# Altium PCB Load_HRD.PcbDoc (continued)
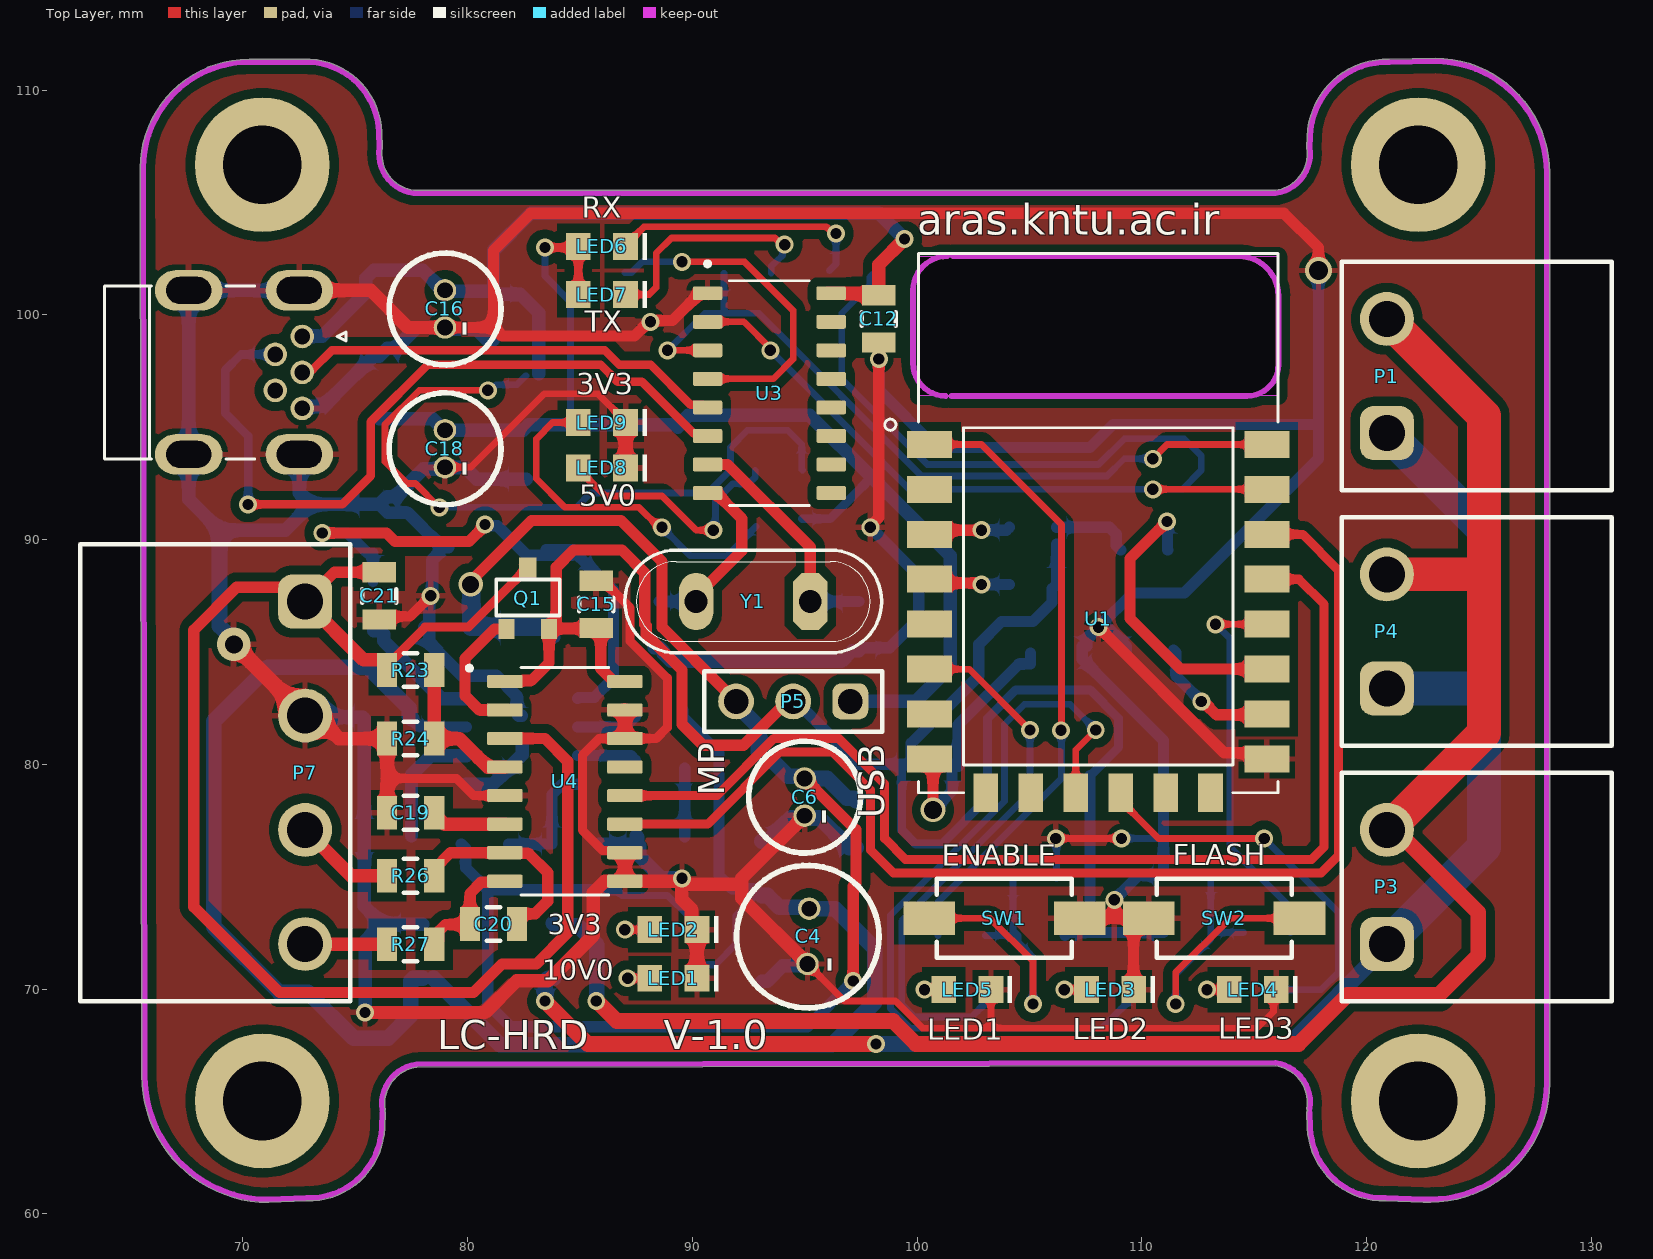
[diagram p0: Top Layer view]
## Footprints (in the part's own frame and the unit in brackets; to place one, negate y for a bottom-side part, rotate by r counter-clockwise, add the part's x,y. Pads: shape width x height; smd on the part's side, far side on the other; paste and mask are expansions set on the pad) (continued)
MY_SMD_TRANSISTOR [mm]
  rect 0.9x0.7 smd: B(1.35,-0.95) E(1.35,0.95)
  rect 0.9x0.8 smd: C(-1.37,0)
  silkscreen extent -0.85,-1.4 0.75,1.42, body extent -1.37,-1.5 1.27,1.5, height 1.08
"SMD 805" [mm]
  rect 0.9x1.5 smd: 1(1.05,0) 2(-1.05,0)
  silkscreen extent -0.3,-0.75 0.3,0.75, body extent -1,-0.62 1,0.63, height 0.78
"SMD 805 CAP" [mm]
  rect 0.9x1.5 smd: 1(1.05,0) 2(-1.05,0)
  silkscreen extent -0.3,-0.75 0.3,0.75, body extent -1,-0.62 1,0.63, height 0.78
USB_MINI_Right [mm]
  oval 1.1x1.65 smd far side paste-2 mask+0: 1(-1.6,2.663) 2(-0.8,0.913) 3(0,2.663) 4(0.8,0.913) 5(1.6,2.663)
  round 1.05 hole 0.7: 6(-1.6,2.388) 7(-0.8,1.188) 8(0,2.388) 9(0.8,1.188) 10(1.6,2.388)
  oval 1.8x3 hole 1.2 slot 2 at 90 deg mask+0: 11(-3.65,-2.662) 12(-3.65,2.261) 12(3.65,2.261) 12(3.65,-2.662)
  oval 1.7x2.7 smd far side paste-2 mask+0: S1(-3.65,-2.662) S2(3.65,-2.662)
  silkscreen extent -3.85,-6.41 3.85,4.34, body extent -3.95,-6.43 3.95,2.97, height 3.9
WS-TASV_L6W3.5H4.3_4341x10438x6 [mm] "SMD Tact Switch, body 6x3.5mm"
  rect 2.3x1.5 smd: 1(-3.35,0) 2(3.35,0)
  silkscreen extent -3,-1.75 3,1.75, body extent -4,-1.75 4,1.75, height 4.3

## Part data
C1 C2 C5 C9 C17: library part "CAP B"
C3 C7 C8 C10 C11 C12 C13 C14 C15 C19 C20 C21: library part "CAP B", "1uf"
C4: library part "Cap Pol_6mm", "CAP-3300Uf"
C6 C16 C18: library part "Cap Pol_5mm", "CAP-3300Uf"
D1 D3 D4 D5: library part MiniMelf_500mW, "MiniMelf_500mW", Package=None, Availability=Unavailable, MP=ZM4736A_L0, Price=None
L1: library part Inductor4*4*3
P1 P3 P4: "WR-TBL Series 312 Open Horizontal PCB Header, THT, pitch 5.08mm, 2p", Manufacturer="Wurth Elektronik", Operating Temperature Max=105°C, Operating Temperature Min=-40°C, Rated Current=20A, Working Voltage=300V, Application=Pluggable, Category="Terminal Blocks", ComponentLink1Description="Website Link", ComponentLink1URL=https://www.we-online.com/redexpert/article/691312510002?ad, ComponentLink2Description="Datasheet Link", ComponentLink2URL=https://www.we-online.com/redexpert/spec/691312510002?ad, Manufacturer Part Number=691312510002, Match Code=WR-TBL, Modularity=No, Mount="Through Hole", Number of Pins=2, Number of Rows=1, Orientation=Horizontal, Packaging=Box, Pitch=5.08mm
P5: "WR-PHD Pin Header, THT, Vertical, pitch 2.54mm, 1 Row, 3P", Contact Resistance=20mΩ, Manufacturer="Wurth Elektronik", Operating Temperature Max=105°C, Operating Temperature Min=-40°C, Rated Current=3A, Withstanding Voltage=500V, Working Voltage=250V, Category="Board-to-Board Connectors", ComponentLink1Description="Website Link", ComponentLink1URL=https://www.we-online.com/redexpert/article/61300311121?ad, ComponentLink2Description="Datasheet Link", ComponentLink2URL=https://www.we-online.com/redexpert/spec/61300311121?ad, Gender="Pin Header", Manufacturer Part Number=61300311121, Match Code=WR-PHD, Mount="Through Hole", Number of Pins=3, Number of Rows=1, Orientation=Vertical, Packaging=Bag, Pitch=2.54mm
P7: "WR-TBL Series 312 Open Horizontal PCB Header, THT, pitch 5.08mm, 4p", Manufacturer="Wurth Elektronik", Operating Temperature Max=105°C, Operating Temperature Min=-40°C, Rated Current=20A, Working Voltage=300V, Application=Pluggable, Category="Terminal Blocks", ComponentLink1Description="Website Link", ComponentLink1URL=https://www.we-online.com/redexpert/article/691312510004?ad, ComponentLink2Description="Datasheet Link", ComponentLink2URL=https://www.we-online.com/redexpert/spec/691312510004?ad, Manufacturer Part Number=691312510004, Match Code=WR-TBL, Modularity=No, Mount="Through Hole", Number of Pins=4, Number of Rows=1, Orientation=Horizontal, Packaging=Box, Pitch=5.08mm
Q1: library part "3906 SMD TRANSISTOR", "PNP 60V 625mW IC=200mA"
R1 R2 R3 R4 R5 R6 R7 R8 R9 R10 R11 R12 R13 R14 R15 R16 R17 R18 R19 R20 R21 R22 R23 R24 R25 R26 R27: library part Resistor
SW1 SW2: "WS-TASV SMT Tact Switch, L6 x W3.5 x H4.3mm, 260g, SPST-NO, 12V, 50mA", Manufacturer="Wurth Elektronik", Operating Temperature Max=85°C, Operating Temperature Min=-40°C, Rated Current=50mA, Rated Voltage (DC)=12V, Category="Tact Switches", Circuit=SPST-NO, ComponentLink1Description="Website Link", ComponentLink1URL=https://www.we-online.com/redexpert/article/434111043826?ad, ComponentLink2Description="Datasheet Link", ComponentLink2URL=https://www.we-online.com/redexpert/spec/434111043826?ad, Contact Material="Stainless Steel", Contact Plating=Silver, Height=4.3mm, Length=6mm, Manufacturer Part Number=434111043826, Match Code=WS-TASV, Mount="Surface Mount", Operation Force=260g, Packaging="Tape and Reel", Terminal Material="Copper Alloy", Terminal Plating=Silver, Washable=No, Width=3.5mm
Y1: "Crystal"

## Free pads (board coordinates)
  round 6 hole 3.5: ""(70.866,65.024) ""(70.866,106.68) ""(122.301,65.024) ""(122.301,106.68)

## Via types
v1: diameter 0.8, hole 0.5, Top Layer to Bottom Layer, 46 vias
v2: diameter 1.1, hole 0.8, Top Layer to Bottom Layer, 1 vias
v3: diameter 1.2, hole 0.85, Top Layer to Bottom Layer, 1 vias
v4: diameter 1.5, hole 0.8, Top Layer to Bottom Layer, 1 vias
v5: diameter 1.1, hole 0.75, Top Layer to Bottom Layer, 1 vias

## Nets (pads, with @x,y where several pads share a name; then routed paths per layer and width w, separated by ;. In a path a pad name is that pad's centre, name@x,y a point inside that pad or via, vN(x,y) a via of type N, cw(c..) or ccw(c..) an arc to the next point about the centre after c; other vN are vias at no path point)
+3V3: C15.2 P5.2 Q1.E R1.1 R2.1 R4.2 R5.1 R8.2 R10.2 U4.1 U4.16 | length 86.6
  Top Layer w0.5: U4.1 81.703,83.738 82.849,83.738 83.627,84.516 Q1.E ; Q1.E@83.65,86.049 Q1.E@83.947,86.049 ; U4.16 86.953,83.738 86.458,83.738 85.925,84.271 85.925,85.872 C15.2 85.598,86.072 85.575,86.049 Q1.E@83.947,86.049 ; P5.2@94.659,82.594 94.024,82.594 92.282,80.852 90.471,80.852 89.535,81.788 89.535,84.201 87.946,85.79 87.946,86.171 87.884,86.233 87.884,88.519 86.868,89.535 84.709,89.535 83.947,88.773 Q1.E@83.947,86.049
  Bottom Layer w0.4: R1.1 99.314,79.79 99.314,77.089 99.949,76.454 101.092,76.454 103.124,78.486 103.124,82.042 104.394,83.312 107.696,83.312 108.966,82.042 108.966,80.772 107.696,79.502
  Bottom Layer w0.5: P5.2@94.869,82.804 94.869,82.55 97.409,80.01 R1.1 99.734,80.21 99.734,80.938 102.743,83.947 102.743,85.344 103.759,86.36 105.156,86.36 106.006,87.21 106.006,87.811 R8.2 106.206,89.801 ; R4.2 108.566,90.551 108.859,90.258 108.859,89.735 R10.2 ; R2.1@106.787,72.89 106.587,72.69 R2.1 106.714,72.517 107.569,72.517 ; 107.696,79.502 107.696,72.644 107.569,72.517 ; R5.1 107.569,72.517
+3V3_MP: C3.2 C6.+ C7.2 D3.2 L1.2 P5.3 R11.2 R13.2 | length 77.5
  Top Layer w0.5: v5(80.137,88.011) 80.137,88.138 82.847,90.848 86.825,90.848 88.646,89.027 88.646,86.106 91.542,83.21 91.626,83.21 92.031,82.804 P5.3@92.329,82.804 ; C6.+ 97.282,77.089 97.282,74.717 97.155,74.59 v1(97.155,70.358)
  Bottom Layer w0.3: 86.614,74.422 86.868,74.168 88.9,74.168 89.824,73.244 89.904,73.244 90.204,72.944 R11.2
  Bottom Layer w0.5: R13.2 79.922,76.254 79.922,75.399 80.899,74.422 ; C3.2@80.154,86.123 C3.2 ; L1.2@83.438,86.106 L1.2@83.886,85.658 ; 86.614,74.422 80.899,74.422 ; v1(97.155,70.358) 95.123,68.326 81.915,68.326 80.899,69.342 80.899,74.422
  Bottom Layer w0.7: P5.3@92.329,82.804 92.178,82.653 92.178,82.447 92.944,81.681 92.944,80.538 D3.2 93.341,80.391 94.261,79.471 94.9,79.471 C6.+ 96,79.375 96.882,78.493 97.182,78.493 C7.2
  Bottom Layer w0.8: v5(80.137,88.011) 80.154,87.994 C3.2@80.154,86.123 ; C3.2 L1.2@83.438,86.106
+3V3_USB: C18.+ D5.2 LED6.2 LED7.2 P5.1 R25.2 REG1.2 REG1.4 | length 54.1
  Top Layer w0.381: v1(83.439,102.997) 84.88,102.997 LED6.2 LED7.2
  Bottom Layer w0.3: v1(83.439,102.997) 83.439,101.727 84.582,100.584 84.582,95.123
  Bottom Layer w0.381: R25.2 96.139,90.932 97.98,92.773
  Bottom Layer w0.6: D5.2 78.442,95.377 78.948,94.872 82.48,94.872 REG1.2 82.731,95.123 84.582,95.123 89.227,95.123 REG1.4 89.354,95.062 89.829,95.537 95.217,95.537 97.98,92.773 101.473,89.281 101.473,84.328 99.949,82.804 P5.1@97.409,82.804
+12V: C4.+ C8.2 D1.2 P2.7 R6.2 R12.1 U2.1 | length 82
  Bottom Layer w0.3: 90.17,67.564 90.204,67.598 ; R6.2 90.204,70.785 90.504,71.085 91.024,71.085 91.948,72.009 91.948,73.275 92.841,74.168 D1.2
  Bottom Layer w0.5: C8.2@77.304,82.242 77.885,81.661 P2.7 ; R12.1 89.569,82.123 91.186,80.506 91.186,75.057 91.778,74.465 92.794,74.465 D1.2
  Bottom Layer w0.7: C8.2 77.404,82.142 77.404,82.489 75.565,84.328 71.12,84.328 68.707,81.915 68.707,72.771 71.628,69.85 72.898,69.85 74.93,67.818 76.454,67.818 77.47,68.834 77.47,70.36 77.595,70.485 U2.1 ; U2.1@78.483,70.485 81.442,67.526 96.228,67.526 98.114,69.412 98.114,71.812 96.344,73.582 C4.+ 95.139,73.64 93.869,73.64 93.341,74.168 D1.2
AVDD: C21.1 P7.1 Q1.C R23.2 U4.3 | length 65.5
  Top Layer w0.4: R23.2 76.42,84.499 76.67,84.749 76.748,84.749 78.105,86.106 80.037,86.106 82.427,88.496 82.477,88.496 82.677,88.696 Q1.C
  Top Layer w0.5: C21.1 74.075,88.553 P7.1 72.136,87.884 69.723,87.884 67.818,85.979 67.818,73.66 71.628,69.85 80.264,69.85 81.534,71.12 83.058,71.12 84.455,72.517 84.455,80.137 83.439,81.153 U4.3
  Top Layer w0.6: P7.1 75.371,84.649 76.27,84.649 R23.2@76.42,84.499
D+: P6.3 P6.8 U3.5 | length 19.4
  Top Layer w0.381: P6.8 72.769,97.57 73.106,97.57 73.955,98.42 86.111,98.42 86.741,97.79 88.138,97.79 89.924,96.004 90.432,96.004 U3.5@90.551,95.885
D-: P6.2 P6.7 U3.6 | length 34.5
  Top Layer w0.381: v1(70.231,91.567) 74.422,91.567 75.692,92.837 75.692,95.25 78.232,97.79 85.919,97.79 86.681,97.028 87.757,97.028 90.051,94.734 90.432,94.734 U3.6@90.551,94.615
  Bottom Layer w0.381: v1(70.231,91.567) 70.231,94.615 69.215,95.631 69.215,97.536 69.921,98.242 P6.2 P6.7
GND: C1.2 C2.2 C3.1 C4.- C5.2 C6.- C7.1 C8.1 C11.2 C12.2 C13.1 C14.1 C15.1 C16.- C17.1 C18.- C19.1 C21.2 D1.1 D2.A D3.1 D4.1 D5.1 LED1.1 LED2.1 LED3.1 LED4.1 LED5.1 LED8.1 LED9.1 P2.5 P2.9 P6.5 P6.10 P6.11 P6.12 P6.S1 P6.S2 P7.2 R9.2 R14.1 R15.1 R16.1 R24.1 REG1.1 SW1.1 SW2.1 U1.15 U2.2 U3.1 U4.5 U4.9 U4.10 U4.14 U4.15 | length 381.9
  Top Layer w0.3: C18.- 80.137,93.218 83.407,96.488 85.802,96.488 87.029,95.26 LED9.1 ; C4.- 96.774,69.469 99.034,69.469 100.239,68.264 103.285,68.264 ; LED5.1 103.285,68.264 ; v1(106.172,76.708) v1(109.093,76.708) ; LED4.1@115.858,69.976 115.858,68.995 115.127,68.264 103.285,68.264
  Top Layer w0.4: 76.42,79.375 79.502,79.375 80.264,78.613 U4.5 ; C15.1 86.025,88.172 87.234,86.963 87.234,85.486 88.885,83.835 88.885,81.646 88.392,81.153 U4.14 85.852,81.153 85.105,80.406 85.105,77.074 86.011,76.168 86.903,76.168 U4.10
  Top Layer w0.45: C21.2@76.327,86.453 76.463,86.589 77.445,86.589 v1(78.359,87.503)
  Top Layer w0.5: C16.- 81.153,99.441 ; U3.1@90.551,100.965 90.333,100.965 89.12,99.752 88.195,99.752 v1(88.138,99.695) 88.057,99.695 87.422,99.06 81.534,99.06 81.153,99.441 ; v1(97.917,90.551) 97.917,90.613 98.298,90.994 v1(98.298,98.044) C12.2 ; SW1.1 108.775,73.152 ; v1(108.077,86.106) 113.665,80.518 115.283,80.518 U1.15 ; v1(108.775,73.977) 108.775,73.152 ; LED3.1 109.635,72.652 110.135,73.152 SW2.1 108.775,73.152 ; v3(117.856,101.981) 117.856,102.997 116.332,104.521 82.804,104.521 81.153,102.87 81.153,99.441
  Top Layer w0.6: P6.12@72.514,101.092 75.692,101.092 77.343,99.441 C16.- ; P7.2 73.258,82.169 74.277,81.15 R24.1 76.42,79.375 C19.1@76.42,78.1 ; v1(75.438,68.961) 80.772,68.961 82.181,70.37 83.578,70.37 85.598,72.39 85.598,74.295 86.106,74.803 U4.9 ; U4.10 U4.9 ; U4.14 U4.15 ; LED8.1 LED9.1 ; v1@89.843,74.676 92.205,74.676 ; LED1.1 LED2.1 89.954,72.894 89.954,73.576 89.535,73.995 v1(89.535,74.93) 89.481,74.93 89.354,74.803 U4.9 ; C6.- 92.205,74.93 92.205,74.038 C4.-
  Top Layer w0.7: v4(69.596,85.344) P7.2
  Bottom Layer w0.3: v1(106.172,76.708) 106.206,76.674 C2.2 ; v1(109.093,76.708) 110.964,76.708
  Bottom Layer w0.5: C14.1 97.548,85.195 98.784,85.195 100.076,86.487 100.076,88.392 v1(97.917,90.551) ; v1(98.298,98.044) 98.298,96.647 100.838,94.107 107.696,94.107 108.712,95.123 117.729,95.123 117.856,95.25 ; C1.2@107.349,85.263 C1.2 107.349,84.663 107.549,84.463 107.569,84.463 110.964,81.068 110.964,76.708 C5.2 109.855,75.057 v1(108.775,73.977) ; C1.2@107.549,85.256 107.549,85.578 v1(108.077,86.106) ; R9.2 109.313,85.263 108.527,86.049 108.134,86.049 v1(108.077,86.106) ; v3(117.856,101.981) 117.856,95.25 ; v1(108.077,86.106) 109.601,87.63 111.887,87.63 117.856,93.599 117.856,95.25
  Bottom Layer w0.55: D5.1 76.437,91.203 77.326,91.203 78.777,89.752 78.82,89.752 78.867,89.705 78.867,89.662 D2.A ; D2.A@78.698,89.45 78.74,89.408 78.426,89.094 78.426,87.628 78.292,87.494 78.292,86.327 C3.1 78.296,85.881 78.296,85.407 79.756,83.947 81.28,83.947 82.198,83.029 82.198,82.251 82.28,82.169 P2.9@82.423,82.169
  Bottom Layer w0.6: P6.12@72.514,93.792 72.514,92.078 73.025,91.567 ; P6.12@72.514,101.092 P6.11 P6.S2 67.591,91.794 68.961,90.424 71.882,90.424 73.025,91.567 ; P6.10 72.727,95.928 73.58,95.928 75.823,98.171 D4.1 76.423,98.521 76.812,98.521 77.732,99.441 C16.- 79.071,99.364 80.388,99.364 80.853,98.899 C17.1 C17.1@81.003,99.049 ; P7.2 72.834,82.105 75.34,82.105 C8.1 R15.1 75.404,73.694 76.2,72.898 ; v1(75.438,68.961) 75.438,72.136 76.2,72.898 ; U2.2@77.996,72.898 76.2,72.898 ; P2.5 81.118,79.121 82.423,80.426 P2.9 ; REG1.1 80.405,92.696 79.883,93.218 C18.- 78.922,93.146 78.033,93.146 76.804,91.917 76.423,91.917 D5.1 73.025,91.567 ; R14.1 R16.1@87.376,76.454 ; R16.1 87.568,76.77 87.568,76.454 87.584,76.454 87.653,76.385 87.653,75.923 88.608,74.968 89.497,74.968 v1(89.535,74.93) ; C11.2@88.311,85.183 88.565,85.183 88.715,85.033 88.715,84.933 89.066,84.582 96.635,84.582 97.109,85.056 C14.1 ; D1.1 93.341,70.358 94.026,71.043 95.046,71.043 C4.-
  Bottom Layer w0.7: 68.961,90.424 68.961,86.154 69.596,85.519 v4(69.596,85.344) ; D3.1 93.341,76.581 94.376,77.616 94.891,77.616 C6.- 95.101,77.616 95.659,77.616 96.982,76.293 C7.1
LED_Control_1: R19.2 U1.6 | length 25.1
  Top Layer w0.3: U1.6 102.323,84.24 v1(105.029,81.534)
  Bottom Layer w0.3: R19.2 102.985,69.678 102.985,69.33 102.419,68.764 99.892,68.764 99.314,69.342 99.314,73.025 105.029,78.74 v1(105.029,81.534)
LED_Control_2: R17.2 U1.11 | length 34.9
  Top Layer w0.3: U1.11 107.061,80.645 v1(107.95,81.534)
  Bottom Layer w0.3: v1(107.95,81.534) 106.807,82.677 104.775,82.677 103.886,81.788 103.886,78.359 98.814,73.287 98.814,69.135 99.685,68.264 108.221,68.264 109.635,69.678 R17.2
LED_Control_3: R18.2 U1.12 | length 17.8
  Top Layer w0.3: U1.12 109.461,78.34 109.461,77.991 110.744,76.708 v1(115.443,76.708)
  Bottom Layer w0.3: v1(115.443,76.708) 118.745,73.406 118.745,70.739 117.984,69.978 R18.2
NetC1_1: C1.1 R1.2 U1.8 | length 11.4
  Top Layer w0.5: U1.8 100.711,80.09 v2(100.711,77.978)
  Bottom Layer w0.5: v2(100.711,77.978) 101.558,78.825 101.558,79.934 R1.2 ; R1.2@101.834,79.91 101.834,81.768 104.529,84.463 105.049,84.463 C1.1@105.049,84.963
NetC2_1: C2.1 R2.2 R3.2 SW1.2 | length 14.8
  Top Layer w0.3: SW1.2 103.251,73.152 105.156,71.247 v1(105.156,69.342)
  Bottom Layer w0.3: R3.2 R2.2 ; C2.1@104.267,74.998 104.267,72.61 R2.2 ; v1(105.156,69.342) 105.156,71.421 104.487,72.09 R2.2
NetC5_1: C5.1 R5.2 R7.2 SW2.2 | length 15.7
  Top Layer w0.3: v1(111.506,69.342) 111.506,70.739 113.919,73.152 SW2.2
  Bottom Layer w0.3: v1(111.506,69.342) 111.506,70.659 113.064,72.217 R5.2 ; C5.1 R5.2 ; R7.2 R5.2
NetC9_1: C9.1 P2.8 | length 5.6
  Bottom Layer w0.6: C9.1 76.119,85.945 76.269,85.795 76.269,85.495 78.833,82.931 P2.8
NetC9_2: C9.2 D2.C L1.1 P2.1 | length 25.7
  Top Layer w0.5: v1(73.533,90.297) 76.394,90.297 76.775,89.916 80.062,89.916 80.772,90.626 v1(80.772,90.678)
  Bottom Layer w0.5: v1(73.533,90.297) 74.661,90.297 75.55,89.408 75.79,89.408 C9.2@75.79,88.138 ; v1(80.772,90.678) 80.829,90.621 81.321,90.621 82.634,89.308 L1.1@84.63,89.308 ; L1.1 84.682,89.562 84.783,89.461 84.783,89.409 85.305,88.887 85.357,88.887 86.487,87.757 86.487,83.835 85.633,82.981 84.948,82.981 P2.1
NetC10_1: C10.1 P2.3 | length 3
  Bottom Layer w0.5: P2.3 87.261,80.391 87.469,80.183 C10.1
NetC10_2: C10.2 R16.2 | length 3
  Bottom Layer w0.5: R16.2@89.662,76.782 C10.2@89.662,79.83
NetC11_1: C11.1 U3.8 Y1.2 | length 8.3
  Top Layer w0.5: Y1.2 90.17,87.48 92.202,89.512 92.202,90.932 91.119,92.015 90.611,92.015 U3.8@90.551,92.075
  Bottom Layer w0.5: C11.1@88.519,87.249 Y1.2
NetC13_2: C13.2 U3.4 | length 15
  Top Layer w0.3: v1(89.535,102.362) 92.329,102.362 94.488,100.203 94.488,98.044 93.599,97.155 U3.4@90.551,97.155
  Bottom Layer w0.3: C13.2 87.295,101.888 87.769,102.362 v1(89.535,102.362)
NetC14_2: C14.2 U3.7 Y1.1 | length 10.8
  Top Layer w0.5: U3.7@90.551,93.345 91.567,93.345 95.25,89.662 Y1.1
  Bottom Layer w0.5: Y1.1 C14.2@97.409,87.249
NetC19_2: C19.2 U4.6 | length 3.6
  Top Layer w0.6: C19.2@78.52,78.1 78.52,77.8 78.977,77.343 U4.6
NetC20_1: C20.1 R27.1 U4.8 | length 5.3
  Top Layer w0.5: R27.1 78.72,72.201 78.72,72.584 79.013,72.876 80.103,72.876 80.103,74.261 80.6,74.758 81.613,74.758 U4.8
NetC20_2: C20.2 R26.1 U4.7 | length 9.2
  Top Layer w0.5: R26.1 78.52,75.35 79.243,76.073 U4.7 81.7,76.031 82.719,76.031 83.566,75.184 83.566,73.914 83.007,73.355 82.403,73.355 82.203,73.155 C20.2
NetLED1_2: LED1.2 R6.1 | length 2
  Top Layer w0.3: v1(87.122,70.485) LED1.2
  Bottom Layer w0.3: v1(87.122,70.485) R6.1
NetLED2_2: LED2.2 R11.1 | length 2.2
  Top Layer w0.3: v1(86.995,72.644) LED2.2
  Bottom Layer w0.3: v1(86.995,72.644) R11.1
NetLED3_2: LED3.2 R17.1 | length 2
  Top Layer w0.3: v1(106.554,69.976) LED3.2
  Bottom Layer w0.3: v1(106.554,69.976) 107.533,69.976 R17.1
NetLED4_2: LED4.2 R18.1 | length 2
  Top Layer w0.3: v1(112.903,69.977) LED4.2@113.884,69.977
  Bottom Layer w0.3: v1(112.903,69.977) R18.1@113.884,69.977
NetLED5_2: LED5.2 R19.1 | length 1.7
  Top Layer w0.3: v1(100.331,69.976) LED5.2
  Bottom Layer w0.3: v1(100.331,69.976) 101.183,69.976 R19.1
NetLED6_1: LED6.1 R20.2 | length 11.6
  Top Layer w0.3: LED6.1@87.03,103.097 87.854,103.921 95.958,103.921 96.258,103.621 v1(96.393,103.621)
  Bottom Layer w0.3: R20.2 96.393,102.269 v1(96.393,103.621)
NetLED7_1: LED7.1 R22.2 | length 10.7
  Top Layer w0.3: LED7.1 88.079,100.906 88.392,101.219 88.392,102.743 89.07,103.421 93.681,103.421 93.978,103.124 v1(94.107,103.124)
  Bottom Layer w0.3: R22.2 93.506,102.154 93.806,102.454 93.823,102.454 94.011,102.642 94.011,103.028 v1(94.107,103.124)
NetLED8_2: LED8.2 R21.1 | length 11
  Top Layer w0.3: LED8.2 84.929,93.147 86.128,91.948 88.646,91.948 90.17,90.424 v1(90.932,90.424)
  Bottom Layer w0.3: v1(90.932,90.424) 91.028,90.52 91.028,91.718 91.801,92.491 92.503,92.491 92.803,92.791 R21.1
NetLED9_2: LED9.2 R25.1 | length 15.7
  Top Layer w0.3: LED9.2 83.78,95.21 83.058,94.488 83.058,92.71 84.32,91.448 87.614,91.448 88.511,90.551 v1(88.646,90.551)
  Bottom Layer w0.3: v1(88.646,90.551) 89.916,89.281 91.536,89.281 R25.1@92.837,90.582
NetP2_2: P2.2 R12.2 | length 3.1
  Bottom Layer w0.5: P2.2 87.007,81.661 87.469,82.123 R12.2
NetP2_4: P2.4 R13.1 R14.2 | length 5.5
  Bottom Layer w0.5: R13.1 R14.2 83.752,78.66 84.213,79.121 P2.4
NetP2_6: P2.6 R15.2 | length 5.5
  Bottom Layer w0.6: R15.2 77.504,79.536 78.359,80.391 P2.6
NetQ1_B: Q1.B U4.2 | length 6.1
  Top Layer w0.5: U4.2 80.518,82.423 79.883,83.058 79.883,84.709 81.2,86.026 Q1.B
NetR3_1: R3.1 U1.1 | length 27.9
  Top Layer w0.3: U1.1 102.864,94.24 106.426,90.678 106.426,81.534 v1(106.408,81.516)
  Bottom Layer w0.3: R3.1 100.931,73.88 106.426,79.375 106.426,81.498 v1(106.408,81.516)
NetR4_1: R4.1 U1.3 | length 3.7
  Top Layer w0.5: U1.3 100.745,90.424 v1(102.87,90.424)
  Bottom Layer w0.5: v1(102.87,90.424) 103.979,90.424 R4.1
NetR7_1: R7.1 U1.18 | length 17.4
  Top Layer w0.3: v1(113.284,86.233) 115.554,86.233 U1.18
  Bottom Layer w0.3: v1(113.284,86.233) 113.919,85.598 113.919,76.327 116.62,73.626 R7.1
NetR8_1: R8.1 U1.4 | length 3.6
  Top Layer w0.5: U1.4 100.733,88.068 102.813,88.068 v1(102.87,88.011)
  Bottom Layer w0.5: v1(102.87,88.011) R8.1
NetR9_1: R9.1 U1.16 | length 6
  Top Layer w0.5: v1(112.649,82.804) 112.73,82.804 113.33,82.205 115.526,82.205 U1.16
  Bottom Layer w0.5: R9.1@111.413,85.09 111.518,84.985 111.518,83.935 v1(112.649,82.804)
NetR10_1: R10.1 U1.17 | length 13.3
  Top Layer w0.5: v1(111.125,90.805) 109.474,89.154 109.474,86.487 111.721,84.24 U1.17
  Bottom Layer w0.5: v1(111.125,90.805) 111.142,90.788 111.142,89.552 R10.1
NetR23_1: R23.1 R24.2 U4.4 | length 6.7
  Top Layer w0.6: R23.1 R24.2 79.632,81.15 80.899,79.883 U4.4
PowerPin1: P1.1 P3.1 P4.1 U2.4 | length 72.1
  Top Layer w0.7: v1(83.439,69.469) 85.344,67.564 v1(98.171,67.564)
  Bottom Layer w0.7: v1(83.439,69.469) 83.458,69.488 83.458,70.36 83.583,70.485 U2.4 ; v1(98.171,67.564) 116.56,67.564 120.904,71.908 P3.1
  Bottom Layer w1.5: P3.1 125.222,76.327 125.222,83.375 ; P4.1 125.222,83.375 ; P1.1 125.222,90.424 125.222,83.375
PowerPin2: P1.2 P3.2 P4.2 U2.3 | length 84.6
  Top Layer w0.7: v1(85.725,69.469) 85.752,69.469 86.641,68.58 98.933,68.58 99.949,67.564 116.967,67.564 119.147,69.744 123.211,69.744 124.968,71.501 124.968,73.406 121.285,77.089 P3.2
  Top Layer w1.5: P3.2 125.222,81.407 125.222,88.455 ; P4.2 125.222,88.455 ; P1.2 125.222,95.504 125.222,88.455
  Bottom Layer w0.7: U2.3 83.945,72.81 84.924,72.81 85.753,71.981 85.753,71.402 85.744,71.393 85.744,69.488 v1(85.725,69.469)
RX_ESP: R20.1 U1.21 U3.2 | length 55
  Top Layer w0.3: U3.2 92.292,99.695 93.472,98.515 v1(93.472,98.425) ; v1@110.452,92.24 v1(110.49,92.24) U1.21
  Bottom Layer w0.3: v1(93.472,98.425) 99.657,92.24 111.798,92.24 112.649,93.091 112.649,93.726 111.887,94.488 109.22,94.488 108.077,93.345 100.457,93.345 96.647,97.155 96.647,100.076 97.905,101.334 97.905,101.681 R20.1
S+: P7.4 R27.2 | length 3.7
  Top Layer w0.6: P7.4 72.775,72.005 76.416,72.005 R27.2
S-: P7.3 R26.2 | length 4.5
  Top Layer w0.6: P7.3 74.81,75.05 R26.2
SCL: U1.20 U4.11 | length 53.7
  Top Layer w0.4: U4.11 90.678,77.343 93.888,80.553 96.231,80.553 97.932,78.852 97.932,76.185 98.94,75.177 117.976,75.177 118.745,75.946 118.745,88.646 117.151,90.24 U1.20
SDA: U1.19 U4.12 | length 49.8
  Top Layer w0.4: U4.12 91.089,78.613 93.629,81.153 96.52,81.153 98.552,79.121 98.552,76.708 99.483,75.777 117.56,75.777 118.11,76.327 118.11,87.122 116.992,88.24 U1.19
TX_ESP: R22.1 U1.22 U3.3 | length 34.5
  Top Layer w0.3: v1(88.9,98.425) U3.3 ; v1(110.49,93.599) 111.125,94.234 115.555,94.234 U1.22
  Bottom Layer w0.3: v1(88.9,98.425) 90.551,100.076 91.567,100.076 ; R22.1 91.406,100.237 91.567,100.076 ; v1(110.49,93.599) 109.22,93.599 108.458,92.837 100.203,92.837 92.964,100.076 91.567,100.076
VBUS: C12.1 C16.+ C17.2 D4.2 P6.1 P6.6 R21.2 REG1.3 U3.16 | length 73.8
  Top Layer w0.3: v1(78.74,91.44) 77.676,92.504 77.295,92.504 76.327,93.472 76.327,95.121 77.853,96.647 v1(80.899,96.647)
  Top Layer w0.6: U3.16@96.051,100.965 96.061,100.955 98.215,100.955 C12.1 98.298,102.235 v1(99.441,103.378)
  Bottom Layer w0.3: v1(78.74,91.44) 84.836,91.44 85.471,92.075 90.678,92.075 91.694,93.091 91.694,94.107 92.456,94.869 94.234,94.869 94.869,94.234 94.869,93.125 R21.2 ; v1(80.899,96.647) 81.034,96.647 81.283,96.896 82.204,96.896 REG1.3
  Bottom Layer w0.6: P6.6 72.657,99.058 73.531,99.058 75.473,101 75.473,101.631 75.823,101.981 D4.2 77.999,101.981 78.886,101.095 C16.+ 79.042,101.047 81.105,101.047 C17.2 ; REG1.3@83.169,97.393 83.169,100.092 82.344,100.917 81.235,100.917 C17.2 ; v1(99.441,103.378) 98.298,104.521 82.804,104.521 81.153,102.87 C17.2
pads on no net: P6.4 P6.9 U1.2 U1.5 U1.7 U1.9 U1.10 U1.13 U1.14 U3.9 U3.10 U3.11 U3.12 U3.13 U3.14 U3.15 U4.13

## Polygon pours and split planes (outlines as drawn)
GND on Bottom Layer "NONET_L-01_P-001" (solid, remove dead copper, pour order 0): 159 vertices, not listed, extent 65.405,60.579 128.143,111.379
GND on Top Layer "NONET_L-01_P-001" (solid, remove dead copper, pour order 2): 159 vertices, not listed, extent 65.532,60.579 128.27,111.379

## Keep-outs
Keep-Out Layer:
  lines w0.254: 65.638,66.139 ccw(c71.138,66.139) 71.138,60.638 72.832,60.706 ccw(c72.937,63.947) 76.178,63.843 76.2,64.516 ; 65.638,66.139 65.571,106.547 cw(c70.276,106.547) 70.276,111.252 72.715,111.252 cw(c72.819,108.021) 76.051,108.125 76.073,107.442 ccw(c77.851,107.188) 77.597,105.41 115.951,105.41 ccw(c115.697,107.188) 117.475,107.442 117.491,107.946 cw(c120.903,107.836) 121.013,111.248 123.051,111.288 cw(c123.051,106.323) 128.016,106.323 128.016,65.823 cw(c122.838,65.823) 122.838,60.645 122.537,60.638 120.843,60.706 cw(c120.738,63.947) 117.497,63.843 117.475,64.516 ; 76.2,64.626 cw(c77.978,64.88) 77.724,66.658 115.951,66.721 cw(c115.697,64.943) 117.475,64.689 ; 101.279,96.393 cw(c101.279,97.85) 99.822,97.85 99.822,101.092 cw(c101.346,101.092) 101.346,102.616 ; 101.533,96.393 106.41,96.393 110.133,96.393 114.681,96.393 ccw(c114.681,97.79) 116.078,97.79 116.078,100.838 ccw(c114.3,100.838) 114.3,102.616 101.6,102.616

## Silkscreen, mask and mechanical layers (free items; w line width, h text height)
Top Overlay:
  text "RX" at 85.09,104.013 h1.6
  text "aras.kntu.ac.ir" at 100.013,103.124 h2.33
  text "TX" at 85.217,98.933 h1.6
  text "3V3" at 84.836,96.158 h1.6
  text "5V0" at 84.963,91.205 h1.6
  text "MP" at 91.821,78.613 h2 r90
  text "USB" at 98.933,77.597 h2 r90
  text "FLASH" at 111.379,75.203 h1.6
  text "ENABLE" at 101.092,75.184 h1.6
  text "3V3" at 83.566,72.137 h1.52
  text "10V0" at 83.312,70.105 h1.52
  text "LED3" at 113.411,67.476 h1.6
  text "LED2" at 106.934,67.456 h1.6
  text "LED1" at 100.457,67.437 h1.6
  text "LC-HRD      V-1.0" at 78.661,66.913 h2.2
Bottom Overlay:
  drawing of 10 lines, arcs and shapes, not listed
  text "EX1" at 126.873,96.647 h2.5
  text "AVDD" at 71.12,86.868 h2
  text "EX2" at 126.873,85.344 h2.5
  text "GND" at 71.12,81.534 h2
  text "S-" at 71.12,76.327 h2
  text "EX3" at 126.873,73.944 h2.5
  text "S+" at 71.12,71.501 h2

## Text inside footprints (layer, text, board x,y; h text height)
C4: Top Overlay "-" at 95.545,71.467 h1.52 r270
C6: Top Overlay "-" at 95.29,78.041 h1.52 r270
C16: Top Overlay "-" at 79.288,99.761 h1.52 r270
C18: Top Overlay "-" at 79.288,93.538 h1.52 r270